# Altium PCB Zeus_PCB_Proto1_210715.PcbDoc
Units mil, origin at the board's own origin, x right, y up, seen from the top; angles counter-clockwise.
Board outline 2462.07 x 1857.92 mil, 2 copper layers (Top Layer, Bottom Layer); 58 components, 44 nets, 220 pads, 33 vias.
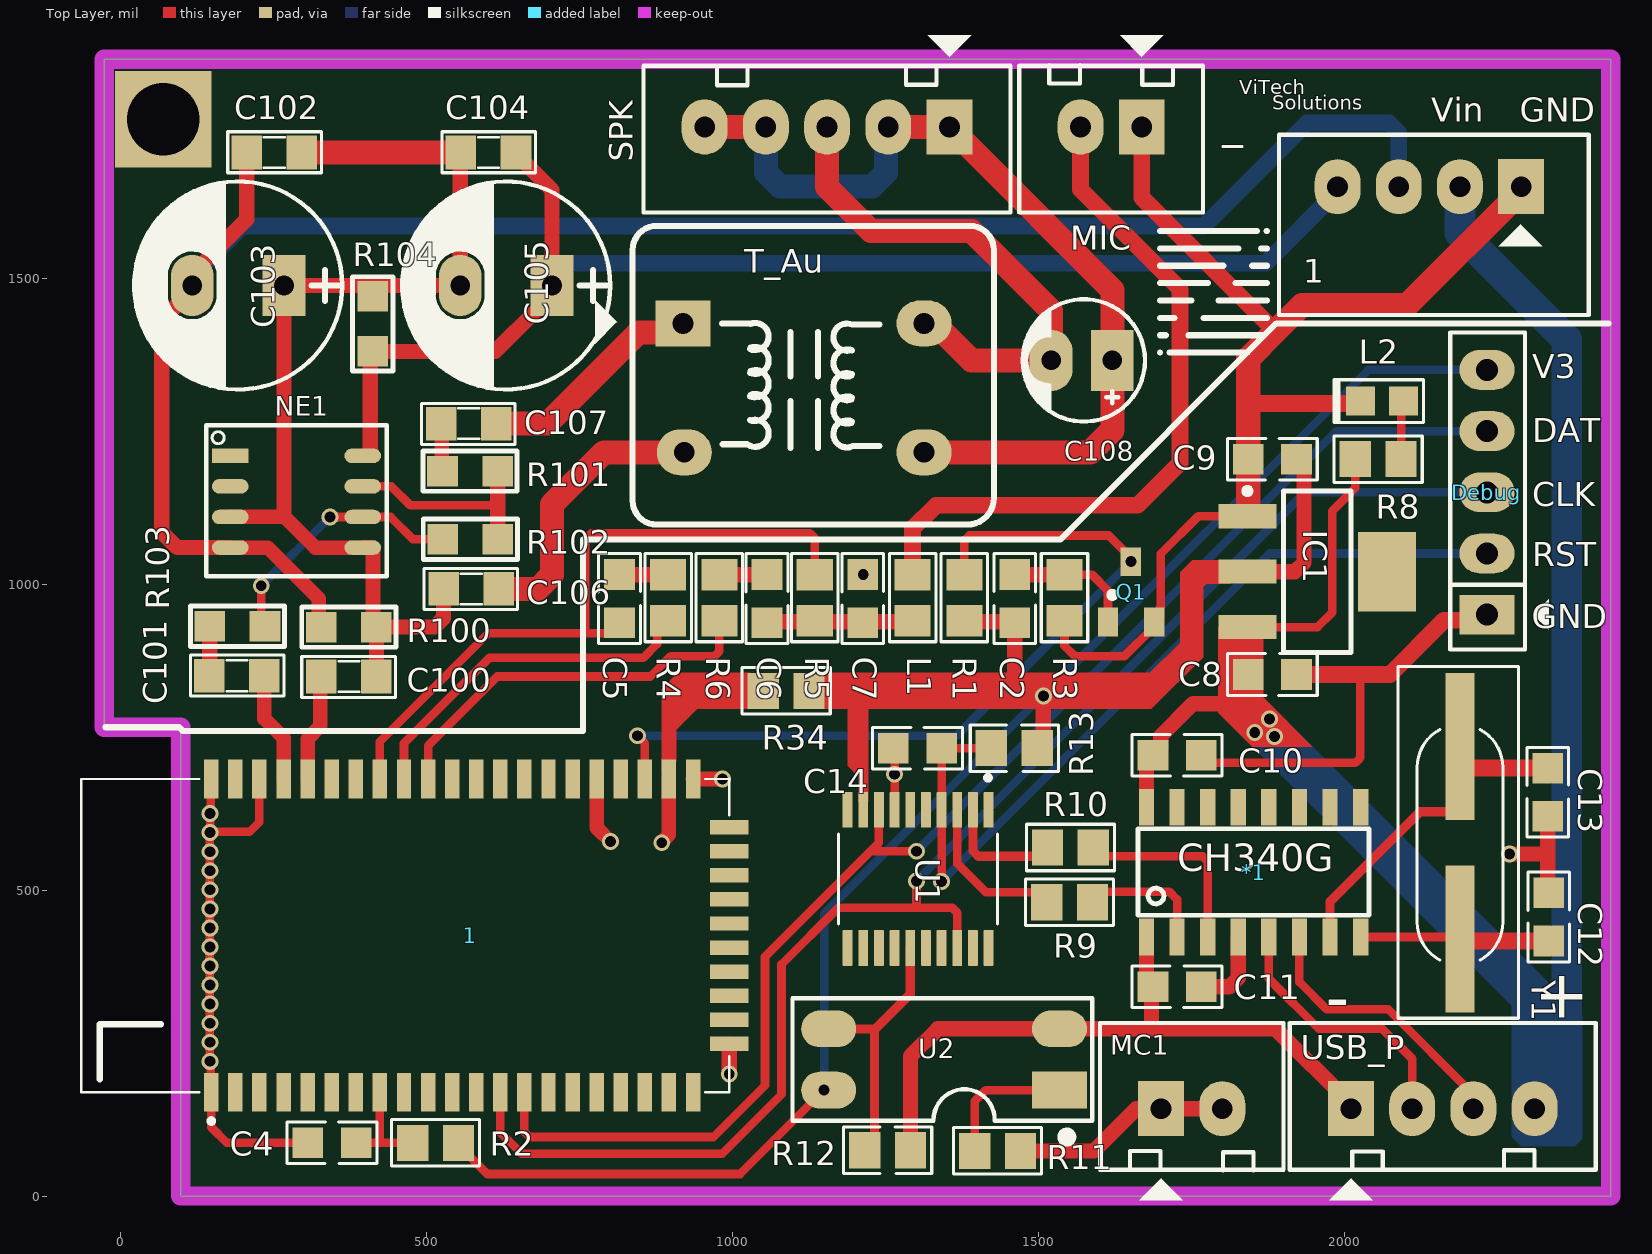
[diagram p0: Top Layer view]
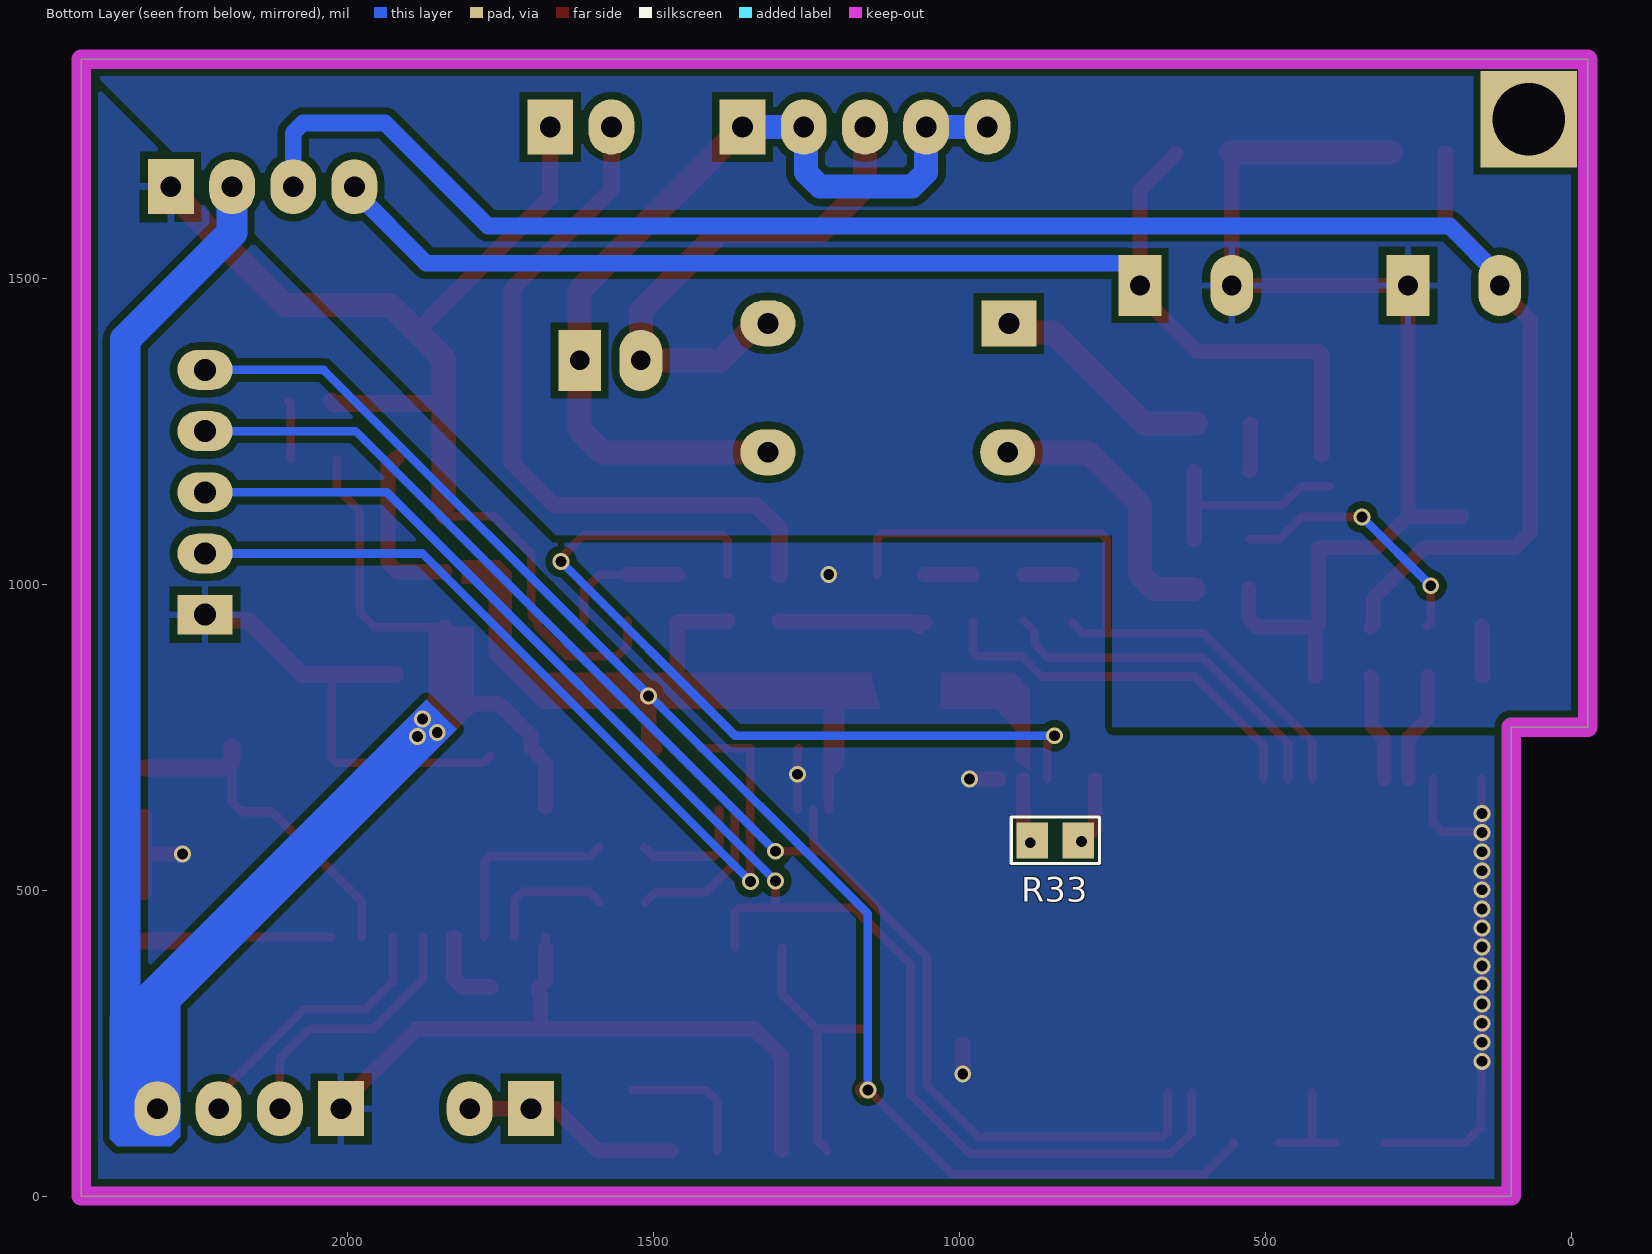
[diagram p1: Bottom Layer view, seen from below]
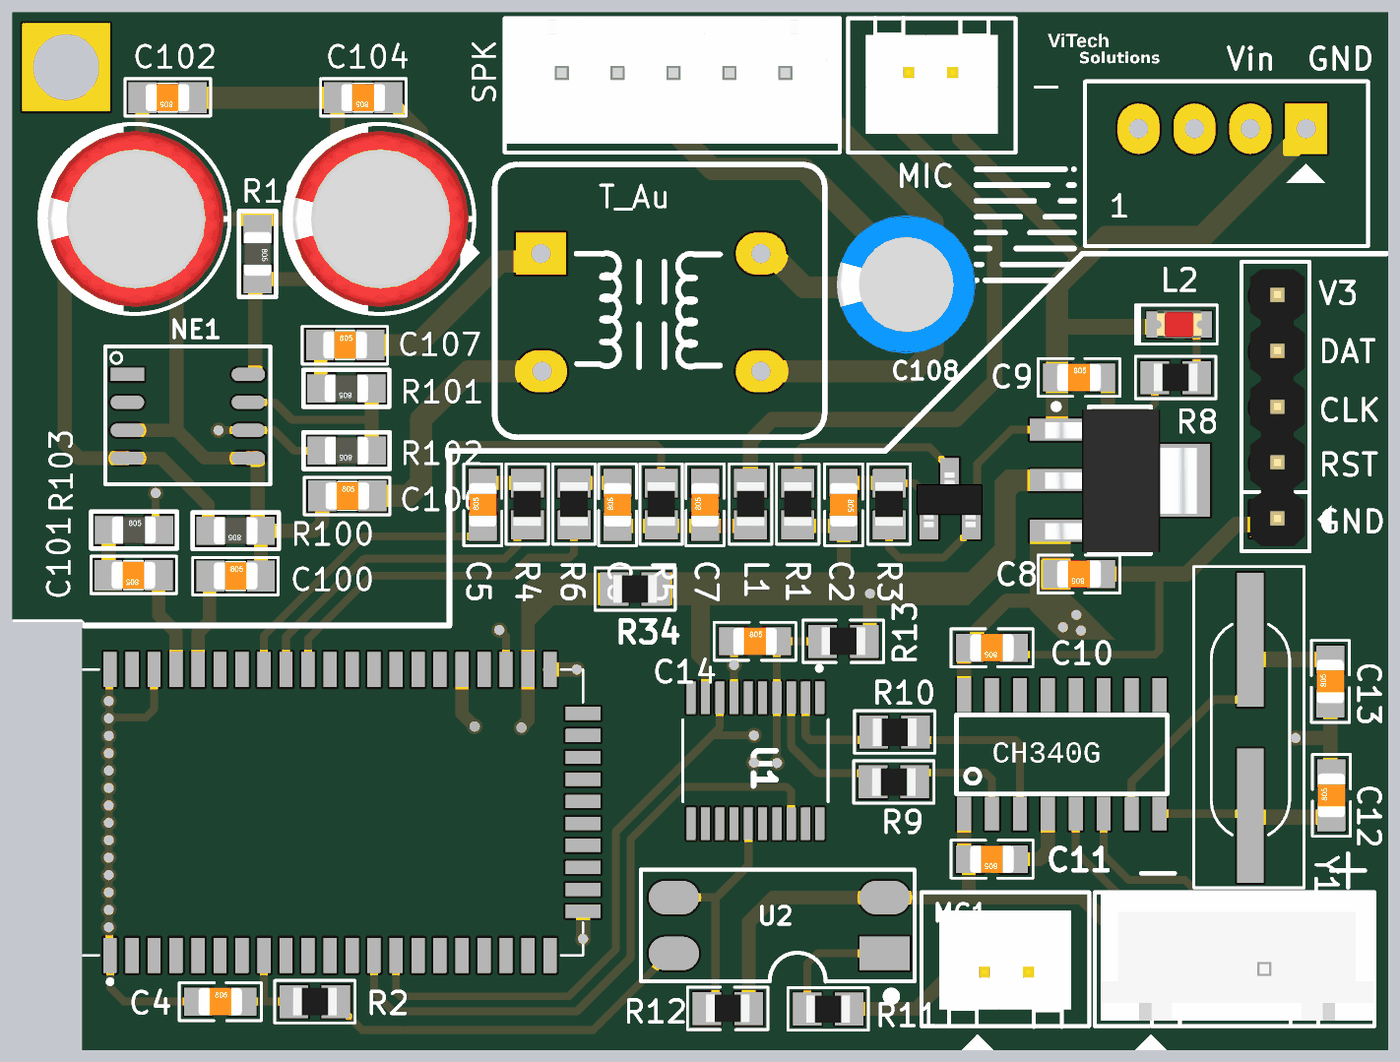
[diagram p2: 3D render of the assembled board from above, using the file's embedded part models]

## Layer stack, top to bottom
Top Solder: solder mask 0.4, Solder Resist, Dk 3.5
Top Layer: signal copper 1.4
Dielectric 1: dielectric 12.6, FR-4, Dk 4.8
Bottom Layer: signal copper 1.4
Bottom Solder: solder mask 0.4, Solder Resist, Dk 3.5

## Board outline
98.91,0.5 1299.33,0.5 2435.94,0.5 2435.95,1858.42 -26.12,1858.42 -26.12,766.54 98.91,766.54

## Design rules (kind name [scope] priority, off if disabled: settings)
Clearance [All] p1: gap=12 ignorepadtopadclearanceinfootprint=FALSE
PlaneClearance [All] p1: clearance=39.37
PlaneConnect PlaneConnect_1 [All] p1: planeconnectstyle=Relief reliefexpansion=20 reliefentries=4 reliefconductorwidth=10 reliefairgap=10
PolygonConnect vias_connect [IsNamedPolygon('GND_BT_L01_P001') vs Isvia] p1: connectstyle=Direct reliefconductorwidth=10 reliefentries=4 polygonreliefangle="90 Angle" airgapwidth=10
PolygonConnect vias_connect_1 [IsNamedPolygon('GND_BT_L01_P000','GND_BT_L02_P002') vs Isvia] p2: connectstyle=Direct reliefconductorwidth=10 reliefentries=4 polygonreliefangle="90 Angle" airgapwidth=10
PolygonConnect Pad_connect [All] p3: connectstyle=Relief reliefconductorwidth=11 reliefentries=4 polygonreliefangle="90 Angle" airgapwidth=13
RoutingVias [All] p1: holewidth=17.72 width=27.56 viastyle="Through Hole" minholewidth=17.72 minwidth=27.56 maxholewidth=17.72 maxwidth=27.56
SolderMaskExpansion [All] p1: expansion=4
Width Width_1 [All] p1: maxlimit=39.37 minlimit=14 preferedwidth=27.56
28 further rules are at their usual default settings.

## Classes and differential pairs
component class Audio_preAMP: 1 C100 C101 C102 C103 C104 C105 C106 C107 C108 NE1 R100 R101 R102 R103 R104 SPK T_Au
component class Zeus_SCH_Proto1: 1 *1 C9 C10 C11 C12 C13 C14 C100 C101 C102 C103 C104 C105 Debug IC1 J5 JP_debug1 L1 L2 MC1 MIC Q1 R6 R8 R9 R10 R11 R12 R13 R17 R33 R34 R100 R101 R102 R103 R104 U1 U2 USB_P Y1

## Components (designator, comment, footprint, x,y, rotation, side; value= is the part's Value field where it differs from the comment)
1 "" B0505S 2289.42,1650.09 r180 top
1 "FSC-BT806" FSCBT806 481.32,416.29 r90 top
*1 "CH340G" CH340G 1852.04,529.97 r90 top
C2 "1uF-NC" CAP_0805 1461.61,976.91 r270 top
C4 "100nF" CAP_0805 345.92,87.3 r0 top
C5 "0.1µF" CAP_0805 815.83,976.91 r90 top
C6 "0.1µF" CAP_0805 1056.89,976.91 r90 top
C7 "15pF" CAP_0805 1213.5,976.91 r90 top
C8 "1uF" CAP_0805 1882.81,852.84 r180 top
C9 "4.7uF" CAP_0805 1882.8,1204.82 r0 top
C10 "0.1uF" CAP_0805 1727.04,720.79 r180 top
C11 "0.1uF" CAP_0805 1727.04,342.35 r180 top
C12 "22pF" CAP_0805 2334.58,456.66 r90 top
C13 "22pF" CAP_0805 2332.72,660.48 r90 top
C14 "0.1uF" CAP_0805 1302.89,732.45 r0 top
C100 "105" SM-CAP-0805 328.54,849.48 r0 top value=0,1uF/300V
C101 "105" SM-CAP-0805 235.55,850.76 r180 top value=0,1uF/300V
C102 "105" SM-CAP-0805 296.54,1705.82 r180 top value=0,1uF/300V
C103 "220uF/35V" CP1.5/3.4 267.55,1488.6 r180 top value=100uF/35V/50V
C104 "105" SM-CAP-0805 646.69,1705.82 r180 top value=0,1uF/300V
C105 "220uF/35V" CP1.5/3.4 705.53,1488.6 r180 top value=100uF/35V/50V
C106 "105" SM-CAP-0805 528.35,992.76 r0 top value=0,1uF/300V
C107 "105" SM-CAP-0805 524.39,1262.84 r0 top value=0,1uF/300V
C108 "47uF" CP1/2 1621.26,1366.06 r180 top value=10uF/50V
Debug "Jumper_5P_2.54_Male" JP5 2233.58,950.59 r90 top
IC1 "LM1117" SOT223-4N 1956.14,1020.81 r0 top value=LM317
L1 "15nH" RES_0805 1294.96,978.28 r90 top
L2 "LED_0805" LED_0805 2062.15,1299.56 r0 top
MC1 "Header_2P_2.54_Male" CON2 1701.04,143.19 r0 top value="Connector 2"
MIC "Header_2P_2.54_Male" CON2 1669.35,1747.68 r180 top value="Connector 2" (schematic designator MIC1)
NE1 "" NE5532 179.63,1210.25 r270 top value=DIP8
Q1 "SI2302-NC" SOT23A 1651.18,987.89 r0 top
R1 "10K" RES_0805 1379.41,978.28 r90 top
R2 "10K" RES_0805 515.35,87.3 r180 top
R3 "10K-NC" RES_0805 1543.07,978.28 r270 top
R4 "1K" RES_0805 895.33,978.28 r270 top
R5 "2.2K" RES_0805 1135,978.28 r90 top
R6 "1K" RES_0805 979.09,978.28 r270 top
R8 "1K" RES_0805 2055.79,1204.73 r180 top
R9 "100R" RES_0805 1551.52,480.68 r0 top
R10 "100R" RES_0805 1552.82,570.04 r0 top
R11 "1K" RES_0805 1433.76,74.19 r0 top
R12 "1K" RES_0805 1254.12,75.19 r180 top
R13 "10K" RES_0805 1461.04,732.45 r180 top
R33 "0Ohm-NC" RES_0805 843.98,581.63 r180 bottom
R34 "0Ohm-NC" RES_0805 1088.26,825.96 r180 top
R100 "10K" "RES_0805 - Dup" 328.54,930.32 r180 top
R101 "1k" "RES_0805 - Dup" 526.55,1185.21 r180 top
R102 "20K" "RES_0805 - Dup" 527.13,1073.85 r180 top
R103 "2.2K" "RES_0805 - Dup" 236.45,931.6 r0 top
R104 "10K" "RES_0805 - Dup" 412.69,1380.78 r270 top
SPK "JP5" CON5 1355,1747.68 r180 top value="Connector 5" (schematic designator JP1)
T_Au "T_Adio" T_Adito 1112.73,1369.44 r0 top value=BAX
U1 "MS51FB9AE" SOP65P640X120-20N 1303.84,518.68 r270 top
U2 "PC817_SMT" PC817_SMT 1346.39,223.65 r90 top value=PC817 (schematic designator U?)
USB_P "Header_4P_2.54_Male" CON4 2011.26,143.19 r0 top value="Connector 4"
Y1 "12MHz" XTAL_314_240X47_SMD 2189.42,420.35 r90 top
? "Comment" VIT 70.14,1760.12 r0 top

## Footprints (in the part's own frame and the unit in brackets; to place one, negate y for a bottom-side part, rotate by r counter-clockwise, add the part's x,y. Pads: shape width x height; smd on the part's side, far side on the other; paste and mask are expansions set on the pad)
B0505S [mil] "CON4"
  rect 75x90 hole 34: 1(0,0)
  oval 75x90 hole 34: 2(100,0) 3(200,0) 4(300,0)
  silkscreen extent -111,-85 396,210
CAP_0805 [mil] "Ceramic Capacitor"
  rect 50x50 smd mask+3: 1(-39.37,0) 2(39.37,0)
  silkscreen extent -73,-34 73,34, body extent -39,-25 39,25, height 31
CH340G [mil]
  rect 60x25 smd: 1(-106.1,175) 2(-106.1,125) 3(-106.1,75) 4(-106.1,25) 5(-106.1,-25) 6(-106.1,-75) 7(-106.1,-125) 8(-106.1,-175) 9(106.1,-175) 10(106.1,-125) 11(106.1,-75) 12(106.1,-25) 13(106.1,25) 14(106.1,75) 15(106.1,125) 16(106.1,175)
  silkscreen extent -71,-189 71,189
CON2 [mil] "CON2"
  rect 75x90 hole 34: 1(0,0)
  oval 75x90 hole 34: 2(100,0)
  silkscreen extent -100,-150 200,140, body extent -68,-70 168,107, height 236
CON4 [mil] "B1205S"
  rect 75x90 hole 34: 1(0,0)
  oval 75x90 hole 34: 2(100,0) 3(200,0) 4(300,0)
  silkscreen extent -100,-150 400,140, body extent -90,-90 398,136, height 276
CON5 [mil] "CON5"
  rect 75x90 hole 34: 1(0,0)
  oval 75x90 hole 34: 2(100,0) 3(200,0) 4(300,0) 5(400,0)
  silkscreen extent -100,-150 500,140, body extent -101,-98 496,125, height 288
CP1.5/3.4 [mil] "Tu hoa 220->470uF,16V, 470uF/16V,25V"
  rect 70x100 hole 32: 1(0,0)
  oval 70x100 hole 32: 2(150,0)
  silkscreen extent -95,-170 245,170, body extent -85,-157 230,157, height 446
CP1/2 [mil] "Tu hoa < 22uF/16>50V"
  rect 70x100 hole 32: 1(0,0)
  oval 70x100 hole 32: 2(100,0)
  silkscreen extent -53,-100 147,100, body extent -76,-129 172,119, height 422
FSCBT806 [mm]
  rect 1.6x0.6 smd: 1(-6.25,8.45) 2(-6.25,7.45) 3(-6.25,6.45) 4(-6.25,5.45) 5(-6.25,4.45) 6(-6.25,3.45) 7(-6.25,2.45) 8(-6.25,1.45) 9(-6.25,0.45) 10(-6.25,-0.55) 11(-6.25,-1.55) 12(-6.25,-2.55) 13(-6.25,-3.55) 14(-6.25,-4.55) 15(-6.25,-5.55) 16(-6.25,-6.55) 17(-6.25,-7.55) 18(-6.25,-8.55) 19(-6.25,-9.55) 20(-6.25,-10.55) 21(-6.25,-11.55) 32(6.75,-11.55) 33(6.75,-10.55) 34(6.75,-9.55) 35(6.75,-8.55) 36(6.75,-7.55) 37(6.75,-6.55) 38(6.75,-5.55) 39(6.75,-4.55) 40(6.75,-3.55) 41(6.75,-2.55) 42(6.75,-1.55) 43(6.75,-0.55) 44(6.75,0.45) 45(6.75,1.45) 46(6.75,2.45) 47(6.75,3.45) 48(6.75,4.45) 49(6.75,5.45) 50(6.75,6.45) 51(6.75,7.45) 52(6.75,8.45)
  rect 0.6x1.6 smd: 22(-4.25,-13.05) 23(-3.25,-13.05) 24(-2.25,-13.05) 25(-1.25,-13.05) 26(-0.25,-13.05) 27(0.75,-13.05) 28(1.75,-13.05) 29(2.75,-13.05) 30(3.75,-13.05) 31(4.75,-13.05)
  silkscreen extent -7.55,-13.05 6.75,13.85, body extent -6.22,-13.08 6.73,13.84, height 0.25
JP5 [mil] "JP5"
  rect 65x90 hole 36: 1(0,0)
  oval 65x90 hole 36: 2(100,0) 3(200,0) 4(300,0) 5(400,0)
  silkscreen extent -57,-101 461,60, body extent -48,-53 448,45, height 323
LED_0805 [mm] "LED"
  rect 1.2x1.2 smd mask+0.076: A(0.889,0) K(-0.889,0)
  silkscreen extent -1.99,-0.89 1.73,0.89, body extent -1.01,-0.62 1.01,0.63, height 1.1
NE5532 [mm]
  oval 0.6x1.52 smd: 2(1.27,0) 3(2.54,0) 4(3.81,0) 5(3.81,5.5) 6(2.54,5.5) 7(1.27,5.5) 8(0,5.5)
  rect 0.6x1.52 smd: F(0,0)
  silkscreen extent -1.27,-1 5,6.5
PC817_SMT [mil] "4 PIN, W 300mil, Pin to pin 100mil"
  rect 60x90 smd: 1(-50,-188.68)
  oval 60x90 smd: 2(50,-188.68) 3(50,188.68) 4(-50,188.68)
  silkscreen extent -135,-242 100,248
RES_0805 [mm] "Resister"
  rect 1.3x1.5 smd mask+0.076: 1(0.95,0) 2(-0.95,0)
  silkscreen extent -1.83,-0.97 1.83,0.97, body extent -1,-0.63 1,0.62, height 0.5
"RES_0805 - Dup" [mil] "Resister"
  rect 50x50 smd: 1(0,0) 2(-90,0)
  silkscreen extent -122,-33 32,33, body extent -84,-25 -6,25, height 31
SM-CAP-0805 [mil]
  rect 50x55 smd: 1(0,0) 2(90,0)
  silkscreen extent -32,-34 121,33, body extent 6,-25 84,25, height 31
SOP65P640X120-20N [mm]
  rrect10% 1.48x0.41 smd: 1(-2.865,2.925) 2(-2.865,2.275) 3(-2.865,1.625) 4(-2.865,0.975) 5(-2.865,0.325) 6(-2.865,-0.325) 7(-2.865,-0.975) 8(-2.865,-1.625) 9(-2.865,-2.275) 10(-2.865,-2.925) 11(2.865,-2.925) 12(2.865,-2.275) 13(2.865,-1.625) 14(2.865,-0.975) 15(2.865,-0.325) 16(2.865,0.325) 17(2.865,0.975) 18(2.865,1.625) 19(2.865,2.275) 20(2.865,2.925)
  silkscreen extent -4.3,-3.3 1.87,3.3
SOT23A [mm] "SOT 23A"
  rect 0.85x1.2 smd: 1(-0.94,-1.245) 2(0.005,1.25) 3(0.985,-1.25)
  silkscreen extent -0.88,-0.25 -0.64,0, body extent -1.5,-1.3 1.5,1.2, height 1.06
SOT223-4N [mm] "SOT223, 4-Leads, Body 6.5x3.5mm, Pitch 2.3mm, Lead Span 7mm, IPC Medium Density"
  rect 2.4x1 smd: 1(-2.9,2.3) 2(-2.9,0) 3(-2.9,-2.3)
  rect 2.4x3.3 smd: 4(2.9,0)
  silkscreen extent -3.02,-3.35 1.4,3.47, body extent -3.39,-3.27 3.5,3.23, height 1.72
T_Adito [mil]
  rect 90x75 hole 34: 1(-192.91,57.09)
  oval 90x75 hole 34: 2(-190.94,-153.54) 3(200.79,-153.54) 4(200.79,57.09)
  silkscreen extent -337,-272 315,217
VIT [mm] "VIT"
  rect 4x4 hole 3: ""(0,0)
XTAL_314_240X47_SMD [mm] "CASE: TH"
  rect 6.096x1.2 smd: 1(0,0) 2(8,0)
  silkscreen extent -3.29,-2.44 11.32,2.57, body extent -2.99,-2.27 10.9,2.41, height 3.05

## Part data
1: library part B0505S, "5V to 5V"
C2 C8: library part CAP_1uF-50V-5%-0805, "1µF ±5% 50V Ceramic Capacitor X7R 0805 (2012 Metric)", Case/Package="0805 (2012 Metric)", Manufacturer=Yageo, Manufacturing Part Number=CC0805JKX7R9BB105, Supplier Part Number-1=311-3498-1-ND, Supplier-1=Digikey
C4: library part CAP_1uF-50V-5%-0805, "100µF ±5% 50V Ceramic Capacitor X7R 0805 (2012 Metric)", Case/Package="0805 (2012 Metric)", Manufacturer=Yageo, Manufacturing Part Number=CC0805JKX7R9BB105, Supplier Part Number-1=311-3498-1-ND, Supplier-1=Digikey
C5 C6 C7 C10 C11 C14: library part CAP_0.1uF-50V-5%-0805, "0.1µF ±5% 50V Ceramic Capacitor X7R 0805 (2012 Metric)", Case/Package="0805 (2012 Metric)", Manufacturer=KEMET, Manufacturing Part Number=C0805C104J5RACTU, Supplier Part Number-1=399-1171-1-ND, Supplier-1=Digikey
C9: library part CAP_1uF-50V-5%-0805, "4.7µF ±5% 50V Ceramic Capacitor X7R 0805 (2012 Metric)", Case/Package="0805 (2012 Metric)", Manufacturer=Yageo, Manufacturing Part Number=CC0805JKX7R9BB105, Supplier Part Number-1=311-3498-1-ND, Supplier-1=Digikey
C12 C13: library part CAP_22pF-50V-5%-0805, "22pF ±5% 50V Ceramic Capacitor C0G, NP0 0805 (2012 Metric)", Case/Package=0805, Manufacturer=KEMET, Manufacturer Part Number=C0805C220J5GACTU, Supplier Part Number-1=399-1113-1-ND, Supplier-1=Digikey
C100 C101 C102 C104 C106 C107: library part CN, Designed by=VanDungEvn
C103 C105: library part CP3, "Cap 100uF/35V - 470uF/16V", Description 1="1000uF/6,3V - 470uF/16V - 330uF - 25V", Description 2="220uF/35V - 100uF/50V - 63V - 4,7uF/200V", Description 3="22uF => 33uF100V - 3,3uF => 4,7uF/250V", Description 4="2,2uF =>3,3uF/350 - 2,2uF/400V - 1uF/450V"
C108: library part CP1, "Cap P  0,1uF < 22uF , 16 - 50V", Description 1="10 => 220uF/6,3V/10V - 10uF => 100uF/16V", Description 2="0,1uF => 33uF/50V - 10uF => 22uF/63V", Description 3="0,47uF => 10uF/100V"
Debug: library part JP5
IC1: "Available in 1.8V, 2.5V, 2.85V, 3.3V, 5V, and  Adjustable Versions"
L1: library part RES_1K-0.125W-1%-0805, "Conductor 15nH", Case/Package=0805, Manufacturer=??á, Manufacturer Part Number=RC0805FR-071KL, Supplier Part Number-1=311-1.00KCRCT-ND, Supplier-1=Digikey
L2: library part LED-RED_10mA-0805, "Red 621nm LED Indication - Discrete 2V 0805 (2012 Metric)", Case/ Package=0805, Manufacturer="Lite-On Inc.", Manufacturer Part Number=LTST-C170EKT, Supplier Part Number-1=160-1178-1-ND, Supplier-1=Digikey
MC1 MIC: library part Con2, "Connector 2"
NE1: library part NE5532, "DIP8"
Q1: library part DV3
R1 R2 R3 R4 R6: library part RES_10K-0.125W-1%-0805_1, "10 kOhms ±1% 0.125W, 1/8W Chip Resistor 0805 (2012 Metric) Moisture Resistant Thick Film", Case/Package=0805, Manufacturer=Yageo, Manufacturing Part Number=RC0805FR-0710KL, Supplier Part Number-1=311-10.0KCRCT-ND, Supplier-1=Digikey
R5: library part RES_10K-0.125W-1%-0805_1, "2.2kOhms ±1% 0.125W, 1/8W Chip Resistor 0805 (2012 Metric) Moisture Resistant Thick Film", Case/Package=0805, Manufacturer=Yageo, Manufacturing Part Number=RC0805FR-0710KL, Supplier Part Number-1=311-10.0KCRCT-ND, Supplier-1=Digikey
R8: library part RES_10K-0.125W-1%-0805_1, "1 kOhms ±1% 0.125W, 1/8W Chip Resistor 0805 (2012 Metric) Moisture Resistant Thick Film", Case/Package=0805, Manufacturer=Yageo, Manufacturing Part Number=RC0805FR-0710KL, Supplier Part Number-1=311-10.0KCRCT-ND, Supplier-1=Digikey
R9 R10: library part RES_0ohm-0.125W-1%-0805_1, "1000Ohms ±1% 0.125W, 1/8W Chip Resistor 0805 (2012 Metric) Moisture Resistant Thick Film", Case/Package=0805, Manufacturer=??á, Manufacturer Part Number=RC0805FR-071KL, Supplier Part Number-1=311-1.00KCRCT-ND, Supplier-1=Digikey
R11 R12: library part RES_1K-0.125W-1%-0805, "1 kOhms ±1% 0.125W, 1/8W Chip Resistor 0805 (2012 Metric) Moisture Resistant Thick Film", Case/Package=0805, Manufacturer=??á, Manufacturer Part Number=RC0805FR-071KL, Supplier Part Number-1=311-1.00KCRCT-ND, Supplier-1=Digikey
R13: library part RES_10MOHM-0.125W-1%-0805, "10K ±1% 0.125W, 1/8W Chip Resistor 0805 (2012 Metric) Automotive AEC-Q200, High Voltage Thick Film", Case/Package="0805 (2012 Metric)", Manufacturer="Rohm Semiconductor", Manufacturing Part Number=KTR10EZPF1005, Supplier Part Number-1=RHM10.0MAHCT-ND, Supplier-1=Digikey
R33 R34: library part RES_0ohm-0.125W-1%-0805_1, "0Ohms ±1% 0.125W, 1/8W Chip Resistor 0805 (2012 Metric) Moisture Resistant Thick Film", Case/Package=0805, Manufacturer=??á, Manufacturer Part Number=RC0805FR-071KL, Supplier Part Number-1=311-1.00KCRCT-ND, Supplier-1=Digikey
R100 R101 R102 R103 R104: library part RES_10K, "Resistor 10K value Chip Resistor 0805 Moisture Resistant Thick Film", Case/Package=0805, Manufacturer=??á, Manufacturer Part Number=RC0805FR-071KL, Supplier Part Number-1=311-1.00KCRCT-ND, Supplier-1=Digikey
SPK: library part Con5, "Connector 5"
T_Au: "Transformer Audio", Designed by=VanDungEvn
U1: library part N76E003AT20, "8051 MS51  Microcontroller IC 8-Bit 16MHz 18KB _18K x 8_ FLASH 20-TSSOP", Package="TSSOP-20 Nuvoton Technology", Availability=Unavailable, MF="Nuvoton Technology", MP=N76E003AT20, Price=None, SnapEDA_Link=https://www.snapeda.com/parts/N76E003AT20/Nuvoton%20Technology%20Corporation%20of%20America/view-part/652314/?ref=snap
U2: "Single Opto"
USB_P: library part Con4, "Connector 4"
Y1: library part XTAL_8MHZ-LFXTAL030234, "Crystals 8MHz 22pF -20C 70C", Case/Package=SMD, Manufacturer="IQD Frequency Products", Manufacturing Part Number=LFXTAL030234Reel, Supplier Part Number-1=449-LFXTAL030234REEL, Supplier-1=Mouser

## Via types
v1: diameter 27.56, hole 17.72, Top Layer to Bottom Layer, tented both sides, 33 vias

## Nets (pads, with @x,y where several pads share a name; then routed paths per layer and width w, separated by ;. In a path a pad name is that pad's centre, name@x,y a point inside that pad or via, vN(x,y) a via of type N, cw(c..) or ccw(c..) an arc to the next point about the centre after c; other vN are vias at no path point)
3V3: C2.2 C9.2 Debug.5 IC1.2 R1.2 R2.2 R13.2 R34.2 U1.9 U2.4 | length 3160.5
  Top Layer w14: R2.2 552.74,83.36 599.67,36.44 1013,36.44 v1(1150.21,173.65) ; 1205.52,814.01 1205.52,703.4 1213.5,695.42 1213.5,686.54 1214.28,685.77 U1.9
  Top Layer w25: R1.2 1381.08,939.21 1459.95,939.21 C2.2 1461.62,839.32 1461.92,839.02 ; R13.2 1508.24,742.25 1508.24,817.39 v1(1508.73,817.88) ; IC1.2 1919.73,1020.81 1934.38,1035.45 1934.38,1192.62 C9.2 C9.2@1919.73,1207.27
  Top Layer w27.56: v1(1150.21,173.65) U2.4
  Bottom Layer w14: v1(1150.21,173.65) 1150.21,461.95 1506.14,817.88 v1(1508.73,817.88) ; v1@1508.99,817.62 1508.99,819.76 2039.82,1350.59 Debug.5
BL_3V3: 1.33 R33.2 R34.1 | length 109.1
  Top Layer w23.62: v1(884.87,577.85) 884.87,578.91 896.68,590.71 1.33
CLK: 1.13 Debug.3 U1.18 | length 2418
  Top Layer w14: 1.13 621.09,104.25 655.43,69.9 984.04,69.9 1080.61,166.47 1080.61,378.95 1173.33,471.67 1301.2,471.67 ; v1(1301.13,515.25) 1301.2,515.18 1301.2,471.67 ; U1.18 1367.82,463.47 1359.62,471.67 1301.2,471.67
  Bottom Layer w14: v1(1301.13,515.25) 1936.47,1150.59 Debug.3
DAT: 1.14 Debug.4 U1.8 | length 2316
  Top Layer w14: 1.14 660.46,105.1 668.66,96.9 969.24,96.9 1053.61,181.27 1053.61,391.59 1177.27,515.25 1225.95,563.93 ; U1.8 1239.87,577.85 1225.95,563.93 ; v1(1301.13,563.93) 1225.95,563.93
  Bottom Layer w14: v1(1301.13,563.93) 1987.79,1250.59 Debug.4
DC_CHECK: R12.1 U1.15 U2.3 | length 436.9
  Top Layer w15: U2.3 1231.13,273.65 1232.56,272.22 ; R12.1 1232.56,91.03 1232.56,272.22 ; U1.15 1291.05,330.71 1232.56,272.22
GND_BT: 1.1 1.22 1.32 1.50 1.52 *1.1 C4.1 C7.2 C8.1 C9.1 C10.1 C11.2 C12.2 C13.1 C14.1 Debug.1 IC1.1 L2.K MIC.1 Q1.3 R3.1 R12.2 U1.7 U2.2 USB_P.1 | length 5095.9
  Top Layer w14: v1(146.32,220.6) 147.48,219.44 147.48,171.39 148.65,170.23 148.65,112.77 174.12,87.3 C4.1 ; v1(146.32,625.51) 147.48,626.67 147.48,680.88 1.52 ; v1@146.93,220.6 146.32,221.21 146.32,251.14 146.93,251.75 146.32,252.36 146.32,282.29 146.93,282.9 146.32,283.51 146.32,313.44 146.93,314.04 146.32,314.65 146.32,344.58 146.93,345.19 146.32,345.8 146.32,375.73 146.93,376.34 146.32,376.94 146.32,406.87 146.93,407.48 146.32,408.09 146.32,438.02 146.93,438.63 146.32,439.24 146.32,469.17 146.93,469.78 146.32,470.38 146.32,500.31 146.93,500.92 146.32,501.53 146.32,531.46 146.93,532.07 146.32,532.68 146.32,562.61 146.93,563.21 146.32,563.82 146.32,593.75 148.56,595.99 211.88,595.99 227.39,611.5 1.50 ; v1@146.93,605.9 v1@146.93,625.51 ; C7.2 1213.98,1016.28 v1(1214.28,1015.98) ; C14.1 1265.46,730.52 v1(1265.46,689.79) U1.7 ; R12.2@1291.05,75.19 1291.05,69.9 1291.52,70.37 R12.2 ; R3.1 1543.07,899.54 1560.05,882.56 1640.76,882.56 1689.98,931.78 Q1.3 1699.71,948.41 1699.71,963.05 1700.16,963.5 1700.16,1049.69 1761.83,1111.36 IC1.1 ; *1.1@1677.04,406.37 *1.1 ; C10.1 1778.89,708.3 2018.38,708.3 2026.58,716.5 2026.58,852.83
  Top Layer w25: 1.32 v1(984.04,682.04) ; v1(995.1,199.76) 1.22 ; R12.2 1291.52,229.14 1336.03,273.65 U2.2 1685.4,273.65 ; *1.1@1677.04,406.37 1677.04,352.97 C11.2 1687.66,332.1 1685.4,329.84 1685.4,273.65 ; USB_P.1 2011.26,150.69 1888.3,273.65 1685.4,273.65 ; v1(2270.42,559.28) 2270.64,559.51 2332.71,559.51 ; C13.1 2332.71,559.51 ; C12.2 2332.71,497.9 2332.71,559.51
  Top Layer w27.56: MIC.1 1669.35,1632.43 1888.13,1413.65 ; IC1.1 1843.44,1112.83 1843.44,1131.22 ; 1841.97,1295.59 1843.44,1295.59 2023.19,1295.59 L2.K ; C8.1 2026.58,852.83 2074.8,852.83 2163.39,941.42 2224.41,941.42 Debug.1
  Top Layer w39.37: 1843.44,1131.22 C9.1 1843.44,1295.59 1843.44,1368.95 1888.13,1413.65 1930.99,1456.5 2103.33,1456.5 2289.42,1642.59 1.1@2289.42,1650.09
  other v1: 146.32,251.75 146.32,282.9 146.32,314.04 146.32,345.19 146.32,376.34 146.32,407.48 146.32,438.63 146.32,469.78 146.32,500.92 146.32,532.07 146.32,563.21 146.32,594.36
GND_Pre: C100.2 C102.1 C103.1 C104.2 C105.2 C106.1 NE1.3 NE1.5 R100.2 R104.2 | length 1771.5
  Top Layer w23.62: NE1.3 268.81,1110.25 318.81,1060.25 NE1.5@392.57,1060.25
  Top Layer w25: 268.81,1110.25 267.55,1111.52 C103.1 C105.2 555.53,1704.65 C104.2 ; NE1.5 412.23,1060.25 412.92,1059.56 412.92,935.94 R100.2 ; C100.2 R100.2 ; C106.1 528.35,944.96 513.7,930.32 R100.2
  Top Layer w39.37: C102.1 C104.2
Net1_3: 1.3@2089.42,1650.09 C102.2 C103.2 NE1.4 R100.1 | length 3218.7
  Top Layer w23.62: NE1.4 241.04,1060.25 324.39,976.91 324.39,934.48 R100.1
  Top Layer w25: C103.2@117.55,1483.22 117.55,1507.35 206.54,1596.35 C102.2 ; C103.2 117.55,1481.27 67.48,1431.2 67.48,1085.63 92.85,1060.25 NE1.4
  Bottom Layer w27.56: C103.2 117.55,1503.6 199.92,1585.97 1770.96,1585.97 1939.16,1754.17 2073.28,1754.17 2089.42,1738.03 1.3@2089.42,1650.09
Net1_4: 1.4@1989.42,1650.09 C104.1 C105.1 NE1.8 R104.1 | length 2134.8
  Top Layer w25: NE1.8@408.34,1210.94 408.34,1376.42 R104.1 612.7,1380.78 683.02,1451.1 705.53,1473.6 C105.1 705.53,1644.49 646.69,1703.32 C104.1
  Top Layer w50: 1.4@1989.42,1650.09 1997.1,1650.09 1.4@1999.71,1652.7
  Bottom Layer w27.56: C105.1 705.53,1503.6 726.75,1524.82 1871.65,1524.82 1989.42,1642.59 1.4@1989.42,1650.09
Net1_8: 1.8 C4.2 R2.1 | length 177.6
  Top Layer w14: C4.2 419.29,87.3 ; 1.8 424.24,92.25 419.29,87.3 ; R2.1 419.29,87.3
Net1_34: 1.34 Q1.2 R1.1 | length 1354
  Top Layer w14: v1(845.28,752.71) 857.31,740.68 1.34 ; R1.1 1379.41,1071.76 1387.61,1079.97 1615.4,1079.97 1651.38,1043.99 Q1.2 v1(1651.79,1037.51)
  Bottom Layer w14: v1(845.28,752.71) 1366.99,752.71 v1(1651.79,1037.51)
Net1_36: 1.36 R33.1 | length 111.4
  Top Layer w23.62: 1.36 778.57,602.53 v1(801.15,579.95)
Net1_43: 1.43 R6.1 | length 644.5
  Top Layer w14: 1.43 502.98,736.41 616.05,849.48 866.29,849.48 899.37,882.56 970.9,882.56 979.1,890.76 R6.1
Net1_44: 1.44 R4.1 | length 585
  Top Layer w14: 1.44 463.61,740.43 603.38,880.2 854.95,880.2 877.24,902.49 877.24,922.78 R4.1
Net1_45: 1.45 C5.1 R5.1 | length 1129.9
  Top Layer w14: 1.45 424.24,743.13 600.97,919.87 759.5,919.87 ; C5.1 798.15,919.87 759.5,919.87 ; R5.1 1135,1075.7 1126.8,1083.9 770.12,1083.9 759.5,1073.28 759.5,919.87
Net1_48: 1.48 C100.1 | length 176.7
  Top Layer w23.62: 1.48 306.13,748.01 326.86,768.74 326.86,847.79 C100.1
Net1_49: 1.49 C101.1 | length 181.6
  Top Layer w23.62: C101.1 235.55,780.55 266.76,749.34 1.49
Net*1_2: *1.2 R9.1 | length 211.6
  Top Layer w14: R9.1 1605.87,497.63 1714.59,497.63 1727.04,485.19 *1.2
Net*1_3: *1.3 R10.1 | length 319.8
  Top Layer w14: R10.1 1604.54,555.73 1768.83,555.73 1777.04,547.53 *1.3
Net*1_4: *1.4 C11.1 | length 133.6
  Top Layer w25: C11.1 1812.39,342.34 1827.04,356.99 *1.4
Net*1_5: *1.5 USB_P.2 | length 438.5
  Top Layer w14: *1.5 1877.04,355.45 1958.83,273.65 2062.54,273.65 2111.26,224.92 USB_P.2
Net*1_6: *1.6 USB_P.3 | length 457.4
  Top Layer w14: *1.6 1927.04,350.15 1971.74,305.44 2072.39,305.44 2211.26,166.58 USB_P.3
Net*1_7: *1.7 C13.2 Y1.2 | length 575.7
  Top Layer w15: *1.7 1977.04,481.47 2124,628.43 2173.3,628.43 2189.42,644.56 Y1.2@2189.42,709.69
  Top Layer w27.56: Y1.2 2189.42,709.69 2199.26,699.85 C13.2
Net*1_8: *1.8 C12.1 Y1.1 | length 308.8
  Top Layer w15: *1.8 Y1.1@2189.42,423.87
  Top Layer w27.56: Y1.1 2192.48,417.29 C12.1
NetC2_1: C2.1 Q1.1 R3.2 | length 214.5
  Top Layer w14: R3.2 1588.31,1015.68 1614.18,989.81 Q1.1
  Top Layer w25: C2.1 1461.92,1015.98 1542.77,1015.98 R3.2
NetC5_2: C5.2 R4.2 | length 79.8
  Top Layer w25: C5.2 816.12,1015.98 895.04,1015.98 R4.2
NetC6_1: C6.1 C7.1 L1.2 R5.2 | length 248
  Top Layer w25: C6.1 1060.69,937.54 1067.04,931.19 1067.04,936.86 1069.39,939.21 1293.29,939.21 L1.2
NetC6_2: C6.2 R6.2 | length 78
  Top Layer w25: R6.2 979.4,1015.98 1056.59,1015.98 C6.2
NetC101_2: C101.2 R103.2 | length 81.2
  Top Layer w25: C101.2 146,851.22 146,931.14 R103.2
NetC106_2: C106.2 T_Au.2 | length 463.3
  Top Layer w39.37: C106.2 682.46,992.76 705.53,1015.82 705.53,1130.95 790.47,1215.89 T_Au.2
NetC107_1: C107.1 R101.1 | length 78.5
  Top Layer w23.62: C107.1 525.47,1261.76 525.47,1186.29 R101.1
NetC107_2: C107.2 T_Au.1 | length 373.2
  Top Layer w39.37: C107.2 697.93,1262.84 847.08,1411.99 905.28,1411.99 T_Au.1
NetC108_1: C108.1 SPK.1 SPK.2 SPK.4 SPK.5 T_Au.3 | length 1699.2
  Top Layer w39.37: SPK.5 SPK.4 ; SPK.2 SPK.1 1355,1740.18 1372.81,1722.36 1380.31,1722.36 1621.26,1481.41 C108.1 1621.26,1251.95 1585.2,1215.89 T_Au.3
  Bottom Layer w39.37: SPK.5 SPK.4 1055,1673.16 1078.06,1650.09 1228.51,1650.09 1251.58,1673.16 1251.58,1744.26 SPK.2 SPK.1
NetC108_2: C108.2 SPK.3 T_Au.4 | length 862.3
  Top Layer w39.37: SPK.3 1155,1649.73 1227.01,1577.72 1391.24,1577.72 1521.26,1447.7 C108.2 1391.12,1366.06 1330.66,1426.52 T_Au.4
NetL1_1: L1.1 MIC.2 | length 1173.5
  Top Layer w27.56: L1.1 1294.96,1091.38 1332.91,1129.33 1662.61,1129.33 1731.98,1198.7 1731.98,1482.52 1569.35,1645.14 MIC.2
NetL2_A: L2.A R8.2 | length 96.5
  Top Layer w14: R8.2 2093.19,1295.59 L2.A
NetMC1_1: MC1.1 MC1.2 R11.1 | length 358.4
  Top Layer w25: R11.1 1591.47,74.19 1660.47,143.19 MC1.1 MC1.2
NetNE1_6: NE1.6 R102.1 R103.1 | length 427.3
  Top Layer w14: v1(230.28,997.88) 230.28,937.77 R103.1 ; v1(342.69,1110.14) 342.74,1110.2 NE1.6 NE1.6 441.76,1110.25 478.17,1073.85 R102.1
  Bottom Layer w14: v1(230.28,997.88) v1(230.28,997.88) 342.62,1110.14 v1(342.69,1110.14)
NetNE1_7: NE1.7 R101.2 R102.2 | length 389.4
  Top Layer w14: NE1.7 442.79,1160.25 473.71,1129.33 615.75,1129.33 R102.2@615.75,1083.9
  Top Layer w25: R101.2 616.84,1184.92 616.84,1074.14 R102.2
NetR11_2: R11.2 U2.1 | length 227.6
  Top Layer w14: R11.2 1396.37,155.55 1414.47,173.65 U2.1
NRST: C14.2 Debug.2 R13.1 U1.4 | length 1412.7
  Top Layer w14: v1(1342.23,514.57) U1.4 C14.2 ; C14.2 R13.1
  Bottom Layer w14: v1(1342.23,514.57) 1878.25,1050.59 Debug.2
RX0: R9.2 U1.3 | length 260.1
  Top Layer w14: U1.3 1367.82,543.8 1414.85,496.77 1498.04,496.77 R9.2
RX_PL: R10.2 U1.2 | length 198.5
  Top Layer w15: U1.2 1393.41,564.52 1402.2,555.73 1501.1,555.73 R10.2
VCC: 1.2@2189.42,1650.09 *1.16 C8.2 C10.2 IC1.3 R8.1 USB_P.4 | length 2315.7
  Top Layer w14: IC1.3 1956.7,930.26 1980.76,954.32 1980.76,1119.85 2018.38,1157.48 R8.1
  Top Layer w25: *1.16 1677.04,706.16 C10.2@1679.18,708.3 ; C10.2 1700.16,733.29 1700.16,751.9 1753.42,805.16 1830.21,805.16 ; C8.2@1830.94,840.33 C8.2 1843.44,928.79 IC1.3
  Bottom Layer w14: v1(1854.08,757.74) 1855.81,759.47 v1@1855.81,768.57
  Bottom Layer w50: 1.2@2189.42,1650.09 2189.42,1574.85 2363.86,1400.42 2363.86,190.16
  other v1: 1886.26,751.63 1877.99,779.87
pads on no net: 1.2@188.02,170.23 1.3@227.39,170.23 1.4@266.76,170.23 1.5 1.6 1.7 1.9 1.10 1.11 1.12 1.15 1.16 1.17 1.18 1.19 1.20 1.21 1.23 1.24 1.25 1.26 1.27 1.28 1.29 1.30 1.31 1.35 1.37 1.38 1.39 1.40 1.41 1.42 1.46 1.47 1.51 *1.9 *1.10 *1.11 *1.12 *1.13 *1.14 *1.15 ?. IC1.4 NE1.2 NE1.F U1.1 U1.5 U1.6 U1.10 U1.11 U1.12 U1.13 U1.14 U1.16 U1.17 U1.19 U1.20

## Polygon pours and split planes (outlines as drawn)
GND_BT on Bottom Layer "GND_BT_L02_P002" (solid, pour order 2): 98.91,752.71 98.91,0.12 2433.69,0.12 2437.48,3.91 2437.48,1857.14 1660.36,1080.02 750.53,1080.02 750.53,752.71
GND_Pre on Bottom Layer "GND_PRE_L02_P001" (solid, pour order 1): -26.21,1857.06 -26.21,768.25 -24.41,766.46 750.53,766.46 750.53,1080.02 1660.36,1080.02 2437.48,1857.14

## Keep-outs
Keep-Out Layer:
  the board outline again, w31.5

## Other copper
Top Layer:
  region net 3V3: 1188.69,818.01 1188.69,703.38 1206.29,685.77 1206.29,644.56 1222.35,644.56 1222.35,689.79 1222.35,825.93
  region net BL_3V3: 884.87,695.42 884.87,828.86 911.29,855.28 1029.65,855.28 1031.54,853.4 1031.54,797.07 942.92,797.07 908.38,762.53 908.39,710.28
  region net VCC: 1794.66,930.66 1794.66,790.19 1849.86,734.99 1947.95,734.99 1867.62,815.32 1867.62,930.66
  region net 3V3: 1145.22,855.59 1682.76,855.59 1731.98,904.81 1731.98,1020.01 1751.72,1039.74 1814.1,1039.74 1814.1,1001.05 1787.97,1001.05 1775.41,1001.05 1769.54,995.18 1769.54,881.18 1685.23,796.87 1129.7,796.87
Bottom Layer:
  region net VCC: 1822.1,762.95 2274,311.05 2274,97.66 2289.58,82.07 2377.03,82.07 2388.87,93.91 2388.87,294.58 1872.27,811.18

## Silkscreen, mask and mechanical layers (free items; w line width, h text height)
Top Overlay:
  lines w10: -24.41,766.54 96.2,766.54 102.05,760.69 756.14,760.69 756.14,1073.28 1536.09,1073.28 1889.33,1426.52 2432.35,1426.52 ; 1699.2,1378.87 1699.42,1378.87 ; 1699.2,1407.26 1708.55,1407.26 ; 1699.2,1435.65 1723.15,1435.65 ; 1699.2,1464.04 1750.54,1464.04 ; 1699.2,1492.43 1777.93,1492.43 ; 1699.2,1520.82 1802.57,1520.82 ; 1699.2,1549.21 1827.22,1549.21 ; 1699.2,1577.6 1857.95,1577.6 ; 1715.07,1378.87 1841.68,1378.87 ; 1745.8,1407.26 1868.37,1407.26 ; 1770.45,1435.65 1873.81,1435.65 ; 1795.09,1464.04 1873.81,1464.04 ; 1822.48,1492.43 1873.81,1492.43 ; 1849.86,1520.82 1873.81,1520.82 ; 1864.47,1549.21 1873.81,1549.21 ; 1873.6,1577.6 1873.81,1577.6
  text "ViTech" at 1828.87,1793.01 h39.37
  text "Solutions" at 1882.74,1767.35 h39.37
  text "Vin" at 2142.61,1756.43 h39.37
  text "GND" at 2287.01,1756.43 h39.37
  text "_" at 1801.04,1729.09 h50
  text "V3" at 2307.48,1336.65 h39.37
  text "DAT" at 2307.48,1232.64 h39.37
  text "CLK" at 2307.48,1127.6 h39.37
  text "RST" at 2307.48,1029.84 h39.37
  text "GND" at 2307.05,928.15 h39.37
  text "+" at 2310.41,291.78 h78.74
  text "-" at 1970.15,286.64 h78.74